# KiCad board TI01.kicad_pcb
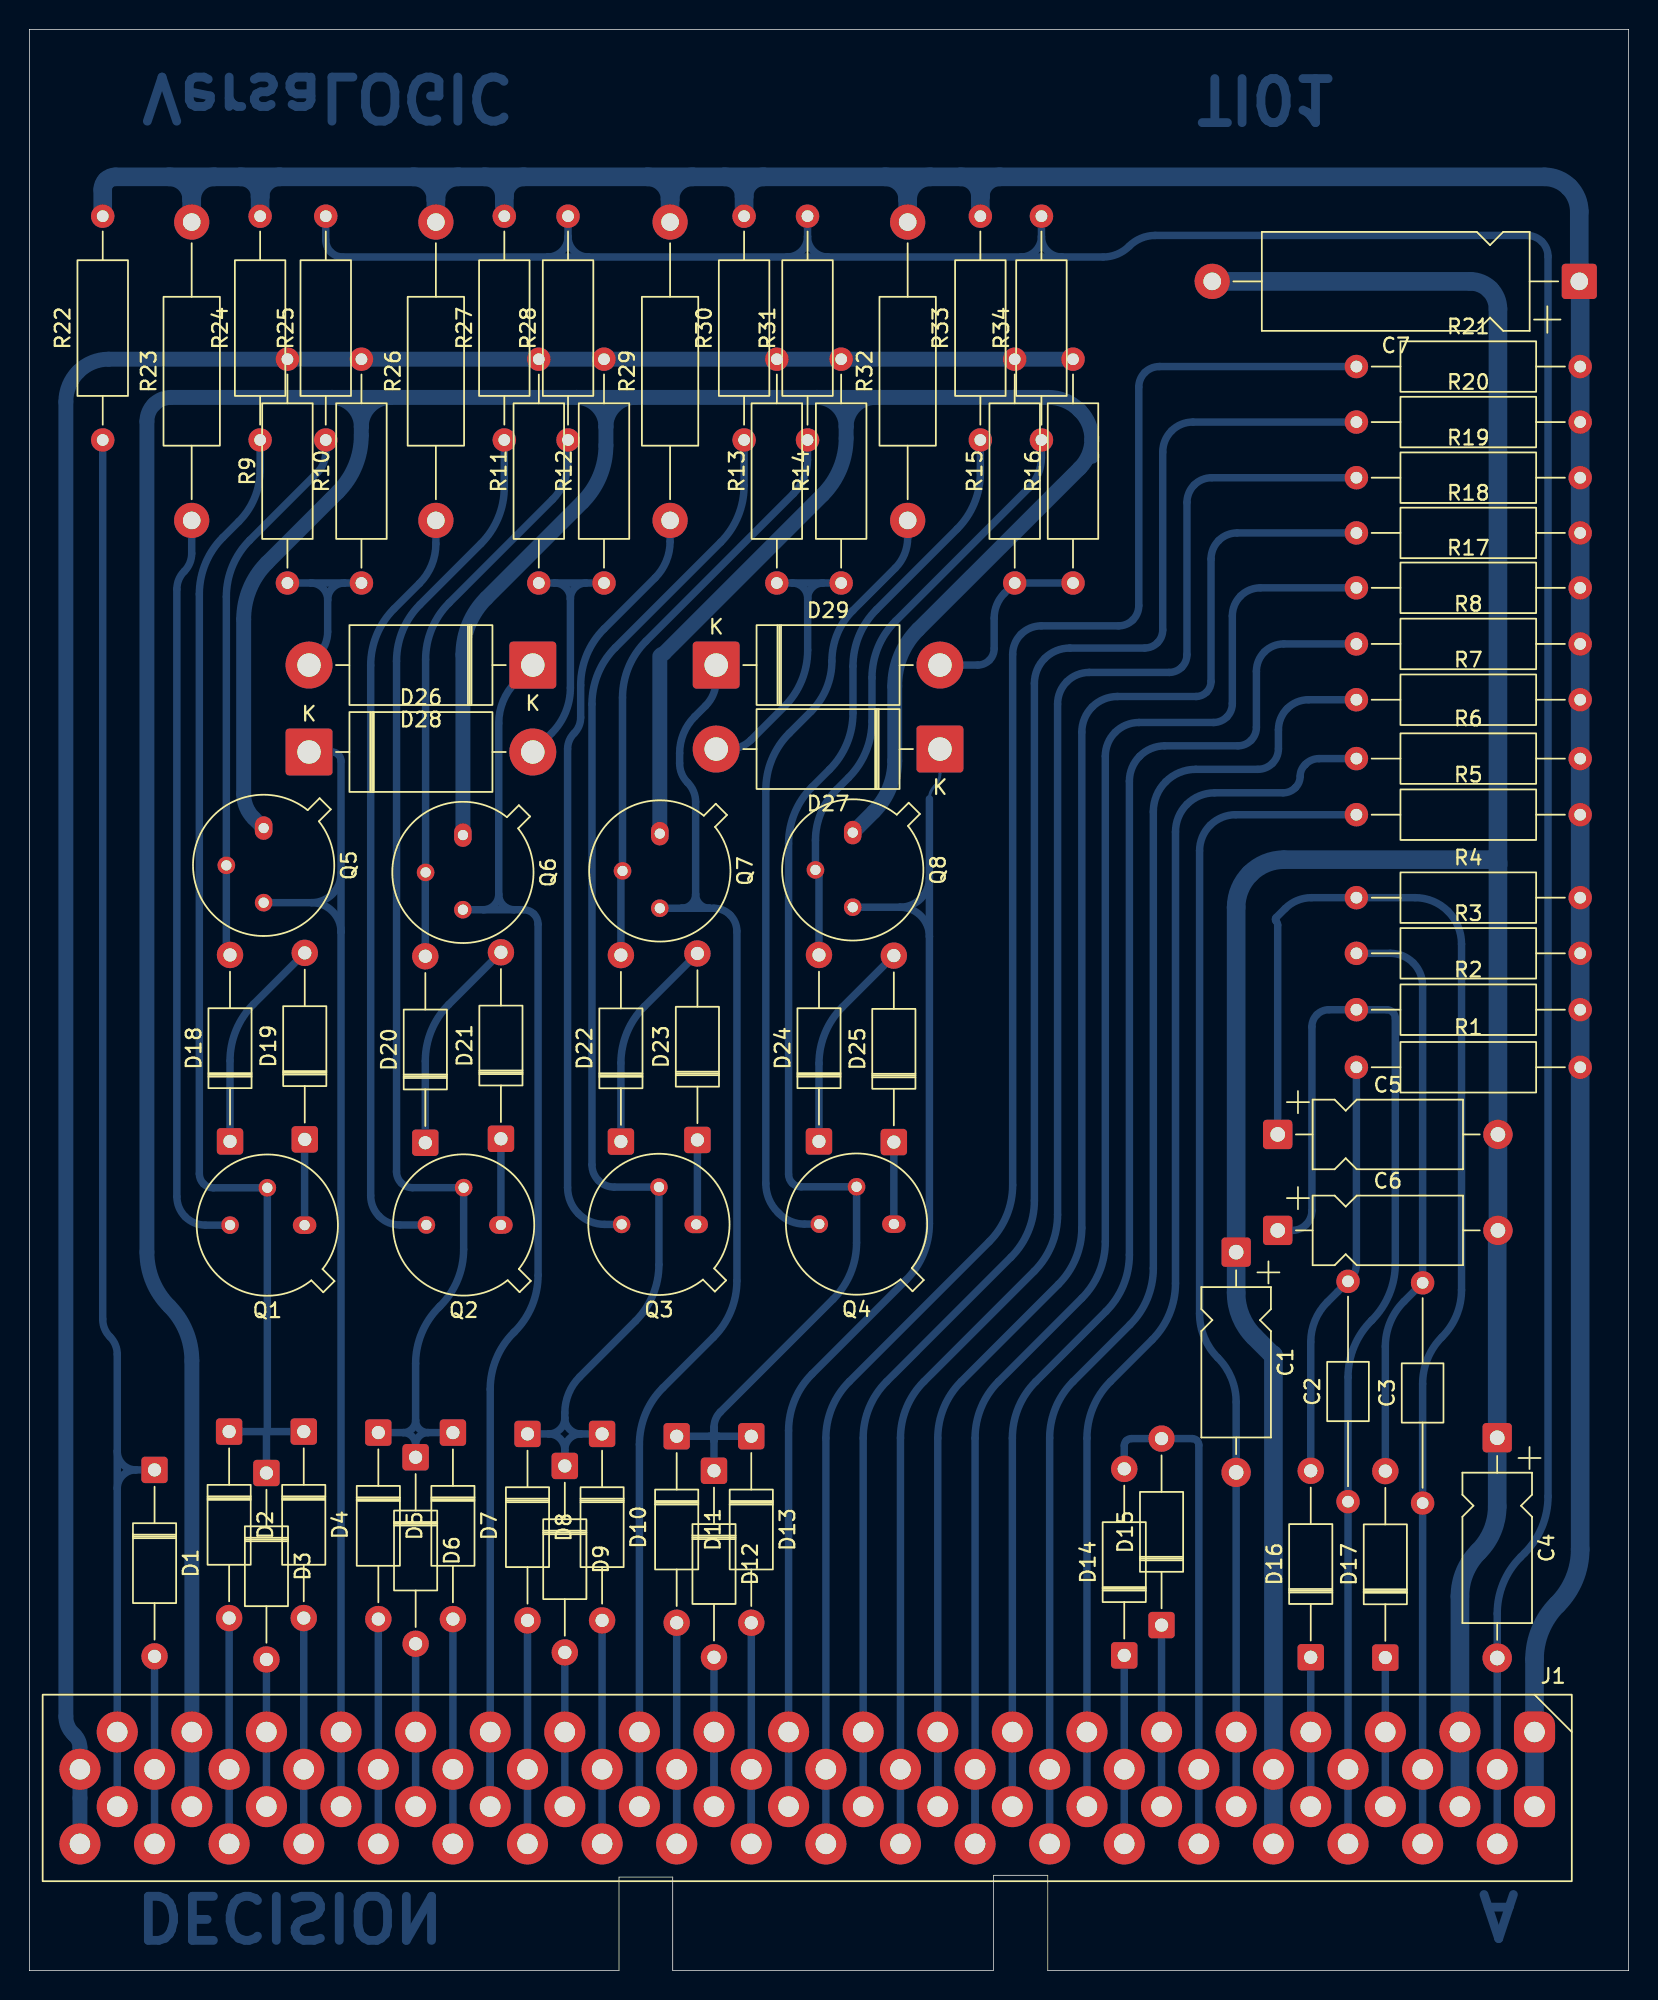
[diagram p0: board, top side]
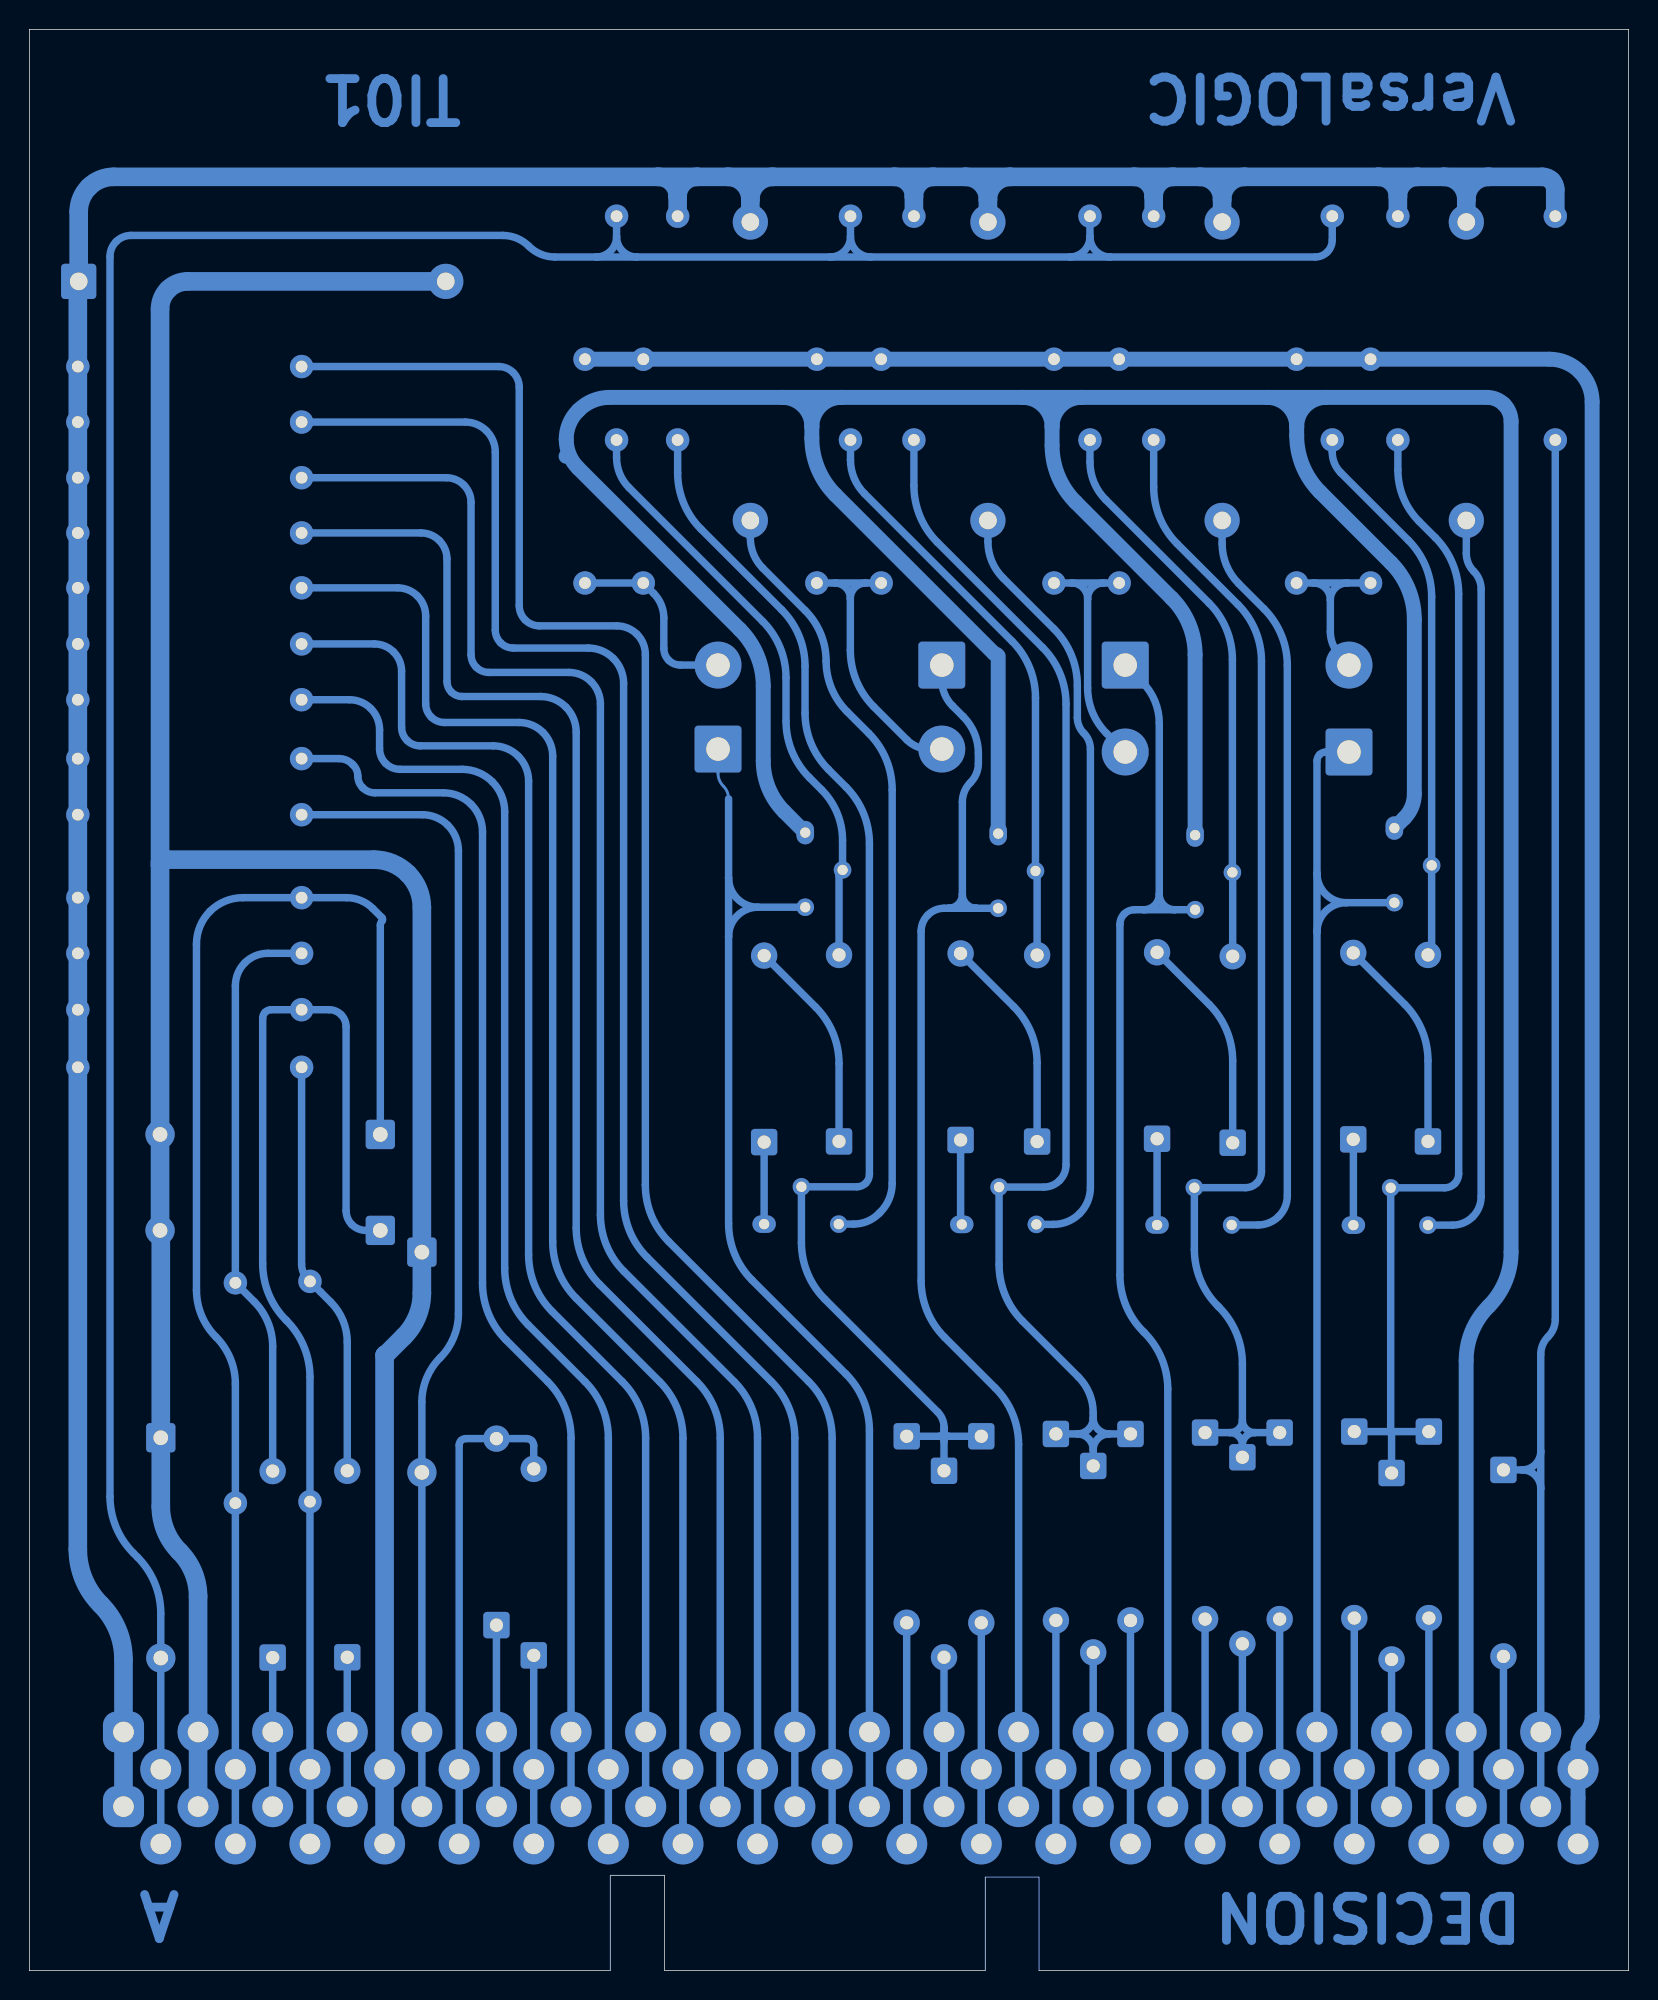
[diagram p1: board, bottom side, seen from below]

Outline 108.92 x 132.2 mm; copper layers: Top, Bottom. Coordinates in mm from the lower left corner of the outline.
Outline path: 0,132.2 0,0 40.16,0 40.16,6.37 43.82,6.37 43.82,0 65.66,0 65.66,6.49 69.36,6.49 69.36,0 108.92,0 108.92,132.2 0,132.2

## Placement (name value [footprint] x y rotation side)
C1  10nF  [CP_Axial_L10.0mm_D4.5mm_P15.00mm_Horizontal]  82.19 48.93 270 top
C2  2.7nF  [C_Axial_L3.8mm_D2.6mm_P15.00mm_Horizontal]  89.81 31.94 90 top
C3  2.7nF  [C_Axial_L3.8mm_D2.6mm_P15.00mm_Horizontal]  94.89 31.84 90 top
C4  10nF  [CP_Axial_L10.0mm_D4.5mm_P15.00mm_Horizontal]  99.97 36.29 270 top
C5  10nF  [CP_Axial_L10.0mm_D4.5mm_P15.00mm_Horizontal]  85.02 56.94 0 top
C6  10nF  [CP_Axial_L10.0mm_D4.5mm_P15.00mm_Horizontal]  85.02 50.41 0 top
C7  1uF  [CP_Axial_L18.0mm_D6.5mm_P25.00mm_Horizontal]  105.56 115.04 180 top
D1  Germanium  [D_A-405_P12.70mm_Horizontal]  8.53 34.1 270 top
D2  Germanium  [D_A-405_P12.70mm_Horizontal]  13.61 36.71 270 top
D3  Germanium  [D_A-405_P12.70mm_Horizontal]  16.15 33.89 270 top
D4  Germanium  [D_A-405_P12.70mm_Horizontal]  18.69 36.71 270 top
D5  Germanium  [D_A-405_P12.70mm_Horizontal]  23.77 36.64 270 top
D6  Germanium  [D_A-405_P12.70mm_Horizontal]  26.31 34.96 270 top
D7  Germanium  [D_A-405_P12.70mm_Horizontal]  28.85 36.64 270 top
D8  Germanium  [D_A-405_P12.70mm_Horizontal]  33.93 36.55 270 top
D9  Germanium  [D_A-405_P12.70mm_Horizontal]  36.47 34.37 270 top
D10  Germanium  [D_A-405_P12.70mm_Horizontal]  39.01 36.55 270 top
D11  Germanium  [D_A-405_P12.70mm_Horizontal]  44.09 36.39 270 top
D12  Germanium  [D_A-405_P12.70mm_Horizontal]  46.63 34.04 270 top
D13  Germanium  [D_A-405_P12.70mm_Horizontal]  49.17 36.39 270 top
D14  Germanium  [D_A-405_P12.70mm_Horizontal]  74.57 21.47 90 top
D15  Germanium  [D_A-405_P12.70mm_Horizontal]  77.11 23.53 90 top
D16  Germanium  [D_A-405_P12.70mm_Horizontal]  87.27 21.34 90 top
D17  Germanium  [D_A-405_P12.70mm_Horizontal]  92.35 21.32 90 top
D18  S1005  [D_A-405_P12.70mm_Horizontal]  13.67 56.47 90 top
D19  S1005  [D_A-405_P12.70mm_Horizontal]  18.76 56.61 90 top
D20  S1005  [D_A-405_P12.70mm_Horizontal]  26.97 56.38 90 top
D21  S1005  [D_A-405_P12.70mm_Horizontal]  32.12 56.65 90 top
D22  S1005  [D_A-405_P12.70mm_Horizontal]  40.29 56.46 90 top
D23  S1005  [D_A-405_P12.70mm_Horizontal]  45.5 56.57 90 top
D24  S1005  [D_A-405_P12.70mm_Horizontal]  53.78 56.47 90 top
D25  S1005  [D_A-405_P12.70mm_Horizontal]  58.87 56.42 90 top
D26  1N3639  [D_DO-201AD_P15.24mm_Horizontal]  19.05 82.99 0 top
D27  1N3639  [D_DO-201AD_P15.24mm_Horizontal]  62.02 83.19 180 top
D28  1N3639  [D_DO-201AD_P15.24mm_Horizontal]  34.29 88.91 180 top
D29  1N3639  [D_DO-201AD_P15.24mm_Horizontal]  46.78 88.91 0 top
J1  Conn_01x40  [ELCO 40]  102.51 16.25 0 top
Q1  S1007  [TO-5-3]  18.75 50.77 180 top
Q2  S1007  [TO-5-3]  32.12 50.78 180 top
Q3  S1007  [TO-5-3]  45.42 50.82 180 top
Q4  S1007  [TO-5-3]  58.88 50.84 180 top
Q5  2N1038  [TO-5-3]  15.96 77.81 270 top
Q6  2N1038  [TO-5-3]  29.53 77.33 270 top
Q7  2N1038  [TO-5-3]  42.94 77.43 270 top
Q8  2N1038  [TO-5-3]  56.08 77.5 270 top
R1  10k  [R_Axial_DIN0309_L9.0mm_D3.2mm_P15.24mm_Horizontal]  90.38 61.52 0 top
R2  1M  [R_Axial_DIN0309_L9.0mm_D3.2mm_P15.24mm_Horizontal]  90.38 65.44 0 top
R3  10k  [R_Axial_DIN0309_L9.0mm_D3.2mm_P15.24mm_Horizontal]  90.38 69.28 0 top
R4  1M  [R_Axial_DIN0309_L9.0mm_D3.2mm_P15.24mm_Horizontal]  90.38 73.07 0 top
R5  1M  [R_Axial_DIN0309_L9.0mm_D3.2mm_P15.24mm_Horizontal]  90.38 78.72 0 top
R6  20k  [R_Axial_DIN0309_L9.0mm_D3.2mm_P15.24mm_Horizontal]  90.38 82.54 0 top
R7  20k  [R_Axial_DIN0309_L9.0mm_D3.2mm_P15.24mm_Horizontal]  90.38 86.55 0 top
R8  20k  [R_Axial_DIN0309_L9.0mm_D3.2mm_P15.24mm_Horizontal]  90.38 90.35 0 top
R9  22  [R_Axial_DIN0309_L9.0mm_D3.2mm_P15.24mm_Horizontal]  17.58 94.5 90 top
R10  22  [R_Axial_DIN0309_L9.0mm_D3.2mm_P15.24mm_Horizontal]  22.62 94.5 90 top
R11  22  [R_Axial_DIN0309_L9.0mm_D3.2mm_P15.24mm_Horizontal]  34.7 94.5 90 top
R12  22  [R_Axial_DIN0309_L9.0mm_D3.2mm_P15.24mm_Horizontal]  39.14 94.5 90 top
R13  22  [R_Axial_DIN0309_L9.0mm_D3.2mm_P15.24mm_Horizontal]  50.91 94.5 90 top
R14  22  [R_Axial_DIN0309_L9.0mm_D3.2mm_P15.24mm_Horizontal]  55.29 94.5 90 top
R15  22  [R_Axial_DIN0309_L9.0mm_D3.2mm_P15.24mm_Horizontal]  67.11 94.5 90 top
R16  22  [R_Axial_DIN0309_L9.0mm_D3.2mm_P15.24mm_Horizontal]  71.08 94.5 90 top
R17  20k  [R_Axial_DIN0309_L9.0mm_D3.2mm_P15.24mm_Horizontal]  90.38 94.17 0 top
R18  20k  [R_Axial_DIN0309_L9.0mm_D3.2mm_P15.24mm_Horizontal]  90.38 97.91 0 top
R19  20k  [R_Axial_DIN0309_L9.0mm_D3.2mm_P15.24mm_Horizontal]  90.38 101.67 0 top
R20  20k  [R_Axial_DIN0309_L9.0mm_D3.2mm_P15.24mm_Horizontal]  90.38 105.46 0 top
R21  20k  [R_Axial_DIN0309_L9.0mm_D3.2mm_P15.24mm_Horizontal]  90.38 109.24 0 top
R22  1M  [R_Axial_DIN0309_L9.0mm_D3.2mm_P15.24mm_Horizontal]  5 104.24 90 top
R23  280 1W  [R_Axial_DIN0411_L9.9mm_D3.6mm_P20.32mm_Horizontal]  11.06 98.76 90 top
R24  5.1k  [R_Axial_DIN0309_L9.0mm_D3.2mm_P15.24mm_Horizontal]  15.72 104.24 90 top
R25  1k  [R_Axial_DIN0309_L9.0mm_D3.2mm_P15.24mm_Horizontal]  20.19 104.24 90 top
R26  280 1W  [R_Axial_DIN0411_L9.9mm_D3.6mm_P20.32mm_Horizontal]  27.69 98.76 90 top
R27  5.1k  [R_Axial_DIN0309_L9.0mm_D3.2mm_P15.24mm_Horizontal]  32.35 104.24 90 top
R28  1k  [R_Axial_DIN0309_L9.0mm_D3.2mm_P15.24mm_Horizontal]  36.69 104.24 90 top
R29  280 1W  [R_Axial_DIN0411_L9.9mm_D3.6mm_P20.32mm_Horizontal]  43.64 98.76 90 top
R30  5.1k  [R_Axial_DIN0309_L9.0mm_D3.2mm_P15.24mm_Horizontal]  48.68 104.24 90 top
R31  1k  [R_Axial_DIN0309_L9.0mm_D3.2mm_P15.24mm_Horizontal]  53 104.24 90 top
R32  280 1W  [R_Axial_DIN0411_L9.9mm_D3.6mm_P20.32mm_Horizontal]  59.82 98.76 90 top
R33  5.1k  [R_Axial_DIN0309_L9.0mm_D3.2mm_P15.24mm_Horizontal]  64.77 104.24 90 top
R34  1k  [R_Axial_DIN0309_L9.0mm_D3.2mm_P15.24mm_Horizontal]  68.93 104.24 90 top

## Library data of the parts
C1-C7 = -: Description: Unpolarized capacitor; ki_fp_filters: C_*
D1-D25 = -: Description: Diode; Sim.Device: D; Sim.Pins: 1=K 2=A; ki_fp_filters: TO-???* *_Diode_* *SingleDiode* D_*
D26-D29 = -: Datasheet: https://www.tme.eu/Document/5f8ffc5ac30fc86bac97d66040bf5502/1n400x.pdf; Description: DO-41 Diode, Rectifier, 200V, 1A, Alternate KiCad Library; ki_fp_filters: TO-???* *_Diode_* *SingleDiode* D_*
J1 = -: Description: Generic connector, single row, 01x40, script generated (kicad-library-utils/schlib/autogen/connector/); ki_fp_filters: Connector*:*_1x??_*
Q1-Q8 = -: Description: PNP transistor, generic symbol, Alternate KiCAD Library; Sim.Device: PNP; Sim.Type: GUMMELPOON; Sim.Pins: 1=C 2=B 3=E
R1-R34 = -: Description: Resistor; ki_fp_filters: R_*

## Footprints (pads in the part's own frame, mm; a bottom-side part is the same pattern mirrored in y, then rotated)
C_Axial_L3.8mm_D2.6mm_P15.00mm_Horizontal
  round 1.6 hole 0.8: 1(0,0) 2(15,0)
CP_Axial_L10.0mm_D4.5mm_P15.00mm_Horizontal
  rrect 2x2 hole 1: 1(0,0)
  round 2 hole 1: 2(15,0)
CP_Axial_L18.0mm_D6.5mm_P25.00mm_Horizontal
  rrect 2.4x2.4 hole 1.2: 1(0,0)
  round 2.4 hole 1.2: 2(25,0)
D_A-405_P12.70mm_Horizontal
  rrect 1.8x1.8 hole 0.9: 1(0,0)
  round 1.8 hole 0.9: 2(12.7,0)
D_DO-201AD_P15.24mm_Horizontal
  rrect 3.2x3.2 hole 1.6: 1(0,0)
  round 3.2 hole 1.6: 2(15.24,0)
ELCO 40
  rrect 2.8x2.8 hole 1.4: 1(0,0) 1(0,-5.08)
  round 2.8 hole 1.4: 2(-2.54,-2.54) 2(-2.54,-7.62) 3(-5.08,0) 3(-5.08,-5.08) 4(-7.62,-2.54) 4(-7.62,-7.62) 5(-10.16,0) 5(-10.16,-5.08) 6(-12.7,-2.54) 6(-12.7,-7.62) 7(-15.24,0) 7(-15.24,-5.08) 8(-17.78,-2.54) 8(-17.78,-7.62) 9(-20.32,0) 9(-20.32,-5.08) 10(-22.86,-2.54) 10(-22.86,-7.62) 11(-25.4,0) 11(-25.4,-5.08) 12(-27.94,-2.54) 12(-27.94,-7.62) 13(-30.48,0) 13(-30.48,-5.08) 14(-33.02,-2.54) 14(-33.02,-7.62) 15(-35.56,0) 15(-35.56,-5.08) 16(-38.1,-2.54) 16(-38.1,-7.62) 17(-40.64,0) 17(-40.64,-5.08) 18(-43.18,-2.54) 18(-43.18,-7.62) 19(-45.72,0) 19(-45.72,-5.08) 20(-48.26,-2.54) 20(-48.26,-7.62) 21(-50.8,0) 21(-50.8,-5.08) 22(-53.34,-2.54) 22(-53.34,-7.62) 23(-55.88,0) 23(-55.88,-5.08) 24(-58.42,-2.54) 24(-58.42,-7.62) 25(-60.96,0) 25(-60.96,-5.08) 26(-63.5,-2.54) 26(-63.5,-7.62) 27(-66.04,0) 27(-66.04,-5.08) 28(-68.58,-2.54) 28(-68.58,-7.62) 29(-71.12,0) 29(-71.12,-5.08) 30(-73.66,-2.54) 30(-73.66,-7.62) 31(-76.2,0) 31(-76.2,-5.08) 32(-78.74,-2.54) 32(-78.74,-7.62) 33(-81.28,0) 33(-81.28,-5.08) 34(-83.82,-2.54) 34(-83.82,-7.62) 35(-86.36,0) 35(-86.36,-5.08) 36(-88.9,-2.54) 36(-88.9,-7.62) 37(-91.44,0) 37(-91.44,-5.08) 38(-93.98,-2.54) 38(-93.98,-7.62) 39(-96.52,0) 39(-96.52,-5.08) 40(-99.06,-2.54) 40(-99.06,-7.62)
R_Axial_DIN0309_L9.0mm_D3.2mm_P15.24mm_Horizontal
  round 1.6 hole 0.8: 1(0,0) 2(15.24,0)
R_Axial_DIN0411_L9.9mm_D3.6mm_P20.32mm_Horizontal
  round 2.4 hole 1.2: 1(0,0) 2(20.32,0)
TO-5-3
  oval 1.6x1.2 hole 0.7: 1(0,0)
  round 1.2 hole 0.7: 2(2.54,-2.54) 3(5.08,0)

## Nets
+6V: C4.2 J1.2 R25.2 R28.2 R31.2 R34.2
-12V: C7.1 J1.1 R1.2 R2.2 R3.2 R4.2 R5.2 R6.2 R7.2 R8.2 R17.2 R18.2 R19.2 R20.2 R21.2 R22.2 R23.2 R24.2 R26.2 R27.2 R29.2 R30.2 R32.2 R33.2
GND: C1.1 C4.1 C5.2 C6.2 C7.2 J1.3 J1.8
J1-4: C3.1 C5.1 J1.4 R4.1
J1-5: D17.1 J1.5
J1-6: C2.1 C6.1 J1.6 R2.1
J1-7: D16.1 J1.7
J1-9: C1.2 J1.9 R5.1
J1-10: D14.2 D15.2 J1.10
J1-11: D15.1 J1.11
J1-12: D14.1 J1.12
J1-13: J1.13 R6.1
J1-14: J1.14 R7.1
J1-15: J1.15 R8.1
J1-16: J1.16 R17.1
J1-17: J1.17 R18.1
J1-18: J1.18 R19.1
J1-19: J1.19 R20.1
J1-20: J1.20 R21.1
J1-21: D27.1 J1.21 Q8.3
J1-22: D13.2 J1.22
J1-23: D12.2 J1.23
J1-24: D11.2 J1.24
J1-25: D29.1 J1.25 Q7.3
J1-26: D10.2 J1.26
J1-27: D9.2 J1.27
J1-28: D8.2 J1.28
J1-29: D28.1 J1.29 Q6.3
J1-30: D7.2 J1.30
J1-31: D6.2 J1.31
J1-32: D5.2 J1.32
J1-33: D26.1 J1.33 Q5.3
J1-34: D4.2 J1.34
J1-35: D3.2 J1.35
J1-36: D2.2 J1.36
J1-37: J1.37 Q5.1 Q6.1 Q7.1 Q8.1
J1-38: D1.2 J1.38
J1-39: D1.1 J1.39 R22.1
J1-40: J1.40 R9.2 R10.2 R11.2 R12.2 R13.2 R14.2 R15.2 R16.2
Net-(D2-K): D2.1 D3.1 D4.1 Q1.2 R24.1
Net-(D5-K): D5.1 D6.1 D7.1 Q2.2 R27.1
Net-(D10-K): D8.1 D9.1 D10.1 Q3.2 R30.1
Net-(D11-K): D11.1 D12.1 D13.1 Q4.2 R33.1
Net-(D16-A): C2.2 D16.2 R1.1
Net-(D17-A): C3.2 D17.2 R3.1
Net-(D18-A): D18.2 Q5.2 R25.1
Net-(D18-K): D18.1 D19.2
Net-(D19-K): D19.1 Q1.1
Net-(D20-A): D20.2 Q6.2 R28.1
Net-(D20-K): D20.1 D21.2
Net-(D21-K): D21.1 Q2.1
Net-(D22-A): D22.2 Q7.2 R31.1
Net-(D22-K): D22.1 D23.2
Net-(D23-K): D23.1 Q3.1
Net-(D24-A): D24.2 Q8.2 R34.1
Net-(D24-K): D24.1 D25.2
Net-(D25-K): D25.1 Q4.1
Net-(D26-A): D26.2 R11.1 R12.1
Net-(D27-A): D27.2 R13.1 R14.1
Net-(D28-A): D28.2 R9.1 R10.1
Net-(D29-A): D29.2 R15.1 R16.1
Net-(Q1-C): Q1.3 R23.1
Net-(Q2-C): Q2.3 R26.1
Net-(Q3-C): Q3.3 R29.1
Net-(Q4-C): Q4.3 R32.1

## Routing (per net, layer and track width the routed paths; a pad name or vN(x,y) marks a point on that pad's centre or on a via; arc(x,y) is an arc through that point)
+6V: length 213.1
  Bottom w0.508: 35.3,116.7 21.35,116.7 arc(20.9,116.79) 20.53,117.04 arc(20.27,117.42) 20.19,117.86 R25.2 ; 35.3,116.7 38.08,116.7 ; 35.3,116.7 arc(36.28,117.11) 36.69,118.09 ; 53,118.09 R31.2 ; 53,118.09 arc(52.59,117.11) 51.61,116.7 ; 53,118.09 arc(53.4,117.11) 54.39,116.7 ; 67.54,116.7 54.39,116.7 ; 67.54,116.7 70.32,116.7 ; 67.54,116.7 arc(68.52,117.11) 68.93,118.09 ; 54.39,116.7 51.61,116.7 ; J1.2 C4.2 99.97,24.32 arc(100.38,26.4) 101.56,28.16 101.83,28.44 arc(103.01,30.2) 103.43,32.28 103.43,116.74 arc(103.32,117.28) 103.01,117.75 arc(102.54,118.06) 101.99,118.17 76.67,118.17 arc(75.71,117.98) 74.9,117.44 arc(74.09,116.89) 73.13,116.7 70.32,116.7 ; 70.32,116.7 arc(69.33,117.11) 68.93,118.09 ; 51.61,116.7 38.08,116.7 ; 38.08,116.7 arc(37.09,117.11) 36.69,118.09 ; 36.69,118.09 R28.2 ; 68.93,118.09 R34.2
-12V: length 261.4
  Bottom w1.27: 58.28,122.16 50.02,122.16 ; 58.28,122.16 61.36,122.16 ; 58.28,122.16 arc(59.36,121.71) 59.82,120.62 ; 50.02,122.16 47.34,122.16 ; 50.02,122.16 arc(49.07,121.77) 48.68,120.82 ; 48.68,120.82 R30.2 ; 48.68,120.82 arc(48.28,121.77) 47.34,122.16 ; 27.69,120.62 R26.2 ; 27.69,120.62 arc(28.14,121.71) 29.23,122.16 ; 27.69,120.62 arc(27.23,121.71) 26.15,122.16 ; 59.82,120.62 R32.2 ; 59.82,120.62 arc(60.27,121.71) 61.36,122.16 ; 11.06,120.62 R23.2 ; 11.06,120.62 arc(10.6,121.71) 9.52,122.16 ; 11.06,120.62 arc(11.51,121.71) 12.6,122.16 ; 61.36,122.16 63.43,122.16 ; 9.52,122.16 5.87,122.16 arc(5.53,122.09) 5.25,121.91 arc(5.06,121.62) 5,121.29 R22.2 ; 9.52,122.16 12.6,122.16 ; 15.72,120.82 R24.2 ; 15.72,120.82 arc(16.11,121.77) 17.06,122.16 ; 15.72,120.82 arc(15.32,121.77) 14.38,122.16 ; 64.77,120.82 R33.2 ; 64.77,120.82 arc(64.37,121.77) 63.43,122.16 ; 64.77,120.82 arc(65.16,121.77) 66.11,122.16 ; 47.34,122.16 45.18,122.16 ; 45.18,122.16 42.1,122.16 ; 45.18,122.16 arc(44.09,121.71) 43.64,120.62 ; 26.15,122.16 29.23,122.16 ; 26.15,122.16 17.06,122.16 ; 29.23,122.16 31.01,122.16 ; 17.06,122.16 14.38,122.16 ; 63.43,122.16 66.11,122.16 ; 42.1,122.16 33.69,122.16 ; 42.1,122.16 arc(43.18,121.71) 43.64,120.62 ; J1.1 J1.1 102.51,21.18 arc(102.91,23.21) 104.06,24.94 arc(105.21,26.66) 105.62,28.69 R1.2 R6.2 R21.2 105.62,114.94 arc(105.61,114.98) 105.59,115.01 arc(105.56,115.04) 105.56,115.08 105.56,119.79 arc(105.37,120.7) 104.86,121.47 arc(104.09,121.98) 103.18,122.16 66.11,122.16 ; 14.38,122.16 12.6,122.16 ; 32.35,120.82 R27.2 ; 32.35,120.82 arc(32.74,121.77) 33.69,122.16 ; 32.35,120.82 arc(31.95,121.77) 31.01,122.16 ; 31.01,122.16 33.69,122.16 ; 43.64,120.62 R29.2
GND: length 208
  Bottom w1.27: 100.02,75.28 C5.2 100.02,50.45 arc(100.01,50.41) 99.99,50.39 arc(99.97,50.36) 99.97,50.32 C4.1 99.97,31.61 arc(99.64,29.95) 98.7,28.54 arc(97.76,27.13) 97.43,25.47 J1.3 ; 100.02,75.28 100.02,75.48 ; 100.02,75.28 arc(100,75.37) 99.95,75.45 ; 99.88,75.52 99.95,75.45 ; 99.88,75.52 99.95,75.45 ; 99.88,75.52 arc(99.72,75.62) 99.54,75.66 85.45,75.66 arc(84.2,75.41) 83.14,74.7 arc(82.43,73.65) 82.19,72.4 C1.1 82.19,46.15 arc(82.5,44.54) 83.42,43.18 84.62,41.98 arc(84.65,41.96) 84.69,41.95 arc(84.71,41.94) 84.73,41.91 J1.8 ; 99.95,75.45 arc(99.99,75.44) 100.02,75.48 ; C7.2 98.14,115.04 arc(98.86,114.9) 99.47,114.49 arc(99.87,113.88) 100.02,113.16 100.02,75.48
J1-4: length 91.7
  Bottom w0.508: J1.4 J1.4 C3.1 94.89,39.96 arc(95.23,41.69) 96.21,43.15 arc(97.19,44.62) 97.54,46.35 97.54,69.91 arc(97.29,71.12) 96.61,72.14 arc(95.59,72.83) 94.38,73.07 R4.1 87.31,73.07 arc(86.34,72.88) 85.53,72.33 84.9,71.71 arc(84.85,71.59) 84.9,71.47 arc(84.99,71.35) 85.02,71.2 C5.1
J1-5: length 10.2
  Bottom w0.508: J1.5 J1.5 D17.1
J1-6: length 79.4
  Bottom w0.508: C6.1 86,50.41 arc(86.51,50.51) 86.95,50.8 arc(87.24,51.24) 87.35,51.76 87.35,64.28 arc(87.43,64.72) 87.69,65.1 arc(88.06,65.35) 88.51,65.44 R2.1 92.44,65.44 arc(92.67,65.4) 92.86,65.27 arc(92.98,65.08) 93.03,64.86 93.03,48.14 arc(92.61,46.06) 91.43,44.3 91.4,44.26 arc(90.22,42.5) 89.81,40.42 C2.1 J1.6 J1.6
J1-7: length 10.2
  Bottom w0.508: J1.7 J1.7 D16.1
J1-9: length 77.8
  Bottom w0.508: R5.1 82.15,78.72 arc(81.21,78.53) 80.42,78 arc(79.88,77.2) 79.7,76.26 79.7,44.74 arc(80.02,43.11) 80.94,41.74 arc(81.86,40.36) 82.19,38.73 C1.2 J1.9
J1-10: length 34.3
  Bottom w0.508: D14.2 74.57,35.75 arc(74.6,35.93) 74.71,36.09 arc(74.86,36.19) 75.04,36.23 D15.2 79.2,36.23 arc(79.37,36.2) 79.52,36.1 arc(79.61,35.96) 79.65,35.79 J1.10 J1.10
J1-11: length 12.4
  Bottom w0.508: D15.1 J1.11 J1.11
J1-12: length 12.8
  Bottom w0.508: J1.12 J1.12 D14.1
J1-13: length 83.5
  Bottom w0.508: R6.1 87.83,82.54 arc(87.34,82.44) 86.92,82.17 86.86,82.11 arc(86.63,81.76) 86.55,81.34 arc(86.46,80.92) 86.23,80.57 86.21,80.55 arc(85.83,80.3) 85.38,80.21 80.72,80.21 arc(79.7,80.01) 78.84,79.43 arc(78.26,78.57) 78.06,77.55 78.06,46.8 arc(77.64,44.72) 76.46,42.96 73.62,40.11 arc(72.44,38.35) 72.03,36.27 J1.13
J1-14: length 91.5
  Bottom w0.508: R7.1 87.11,86.55 arc(86.33,86.39) 85.67,85.95 arc(85.22,85.29) 85.07,84.5 85.07,83.21 arc(84.96,82.67) 84.66,82.22 arc(84.2,81.92) 83.67,81.81 79.43,81.81 arc(78.33,81.59) 77.39,80.97 arc(76.76,80.03) 76.55,78.92 76.55,47.83 arc(76.13,45.75) 74.95,43.99 71.08,40.11 arc(69.9,38.35) 69.49,36.27 J1.14
J1-15: length 95.1
  Bottom w0.508: J1.15 J1.15 66.95,36.27 arc(67.36,38.35) 68.54,40.11 73.32,44.9 arc(74.5,46.66) 74.92,48.74 74.92,81 arc(75.1,81.92) 75.62,82.71 arc(76.4,83.23) 77.32,83.41 82.3,83.41 arc(82.79,83.51) 83.2,83.78 arc(83.47,84.19) 83.57,84.67 83.57,88.49 arc(83.71,89.2) 84.11,89.81 arc(84.71,90.21) 85.43,90.35 R8.1
J1-16: length 108.6
  Bottom w0.508: J1.16 J1.16 64.41,36.27 arc(64.82,38.35) 66,40.11 71.68,45.8 arc(72.86,47.56) 73.28,49.64 73.28,82.71 arc(73.45,83.59) 73.95,84.33 arc(74.69,84.83) 75.56,85 80.64,85 arc(81.13,85.1) 81.55,85.37 arc(81.83,85.79) 81.93,86.28 81.93,92.26 arc(82.07,92.99) 82.49,93.61 arc(83.11,94.02) 83.84,94.17 R17.1
J1-17: length 111.9
  Bottom w0.508: R18.1 82.25,97.91 arc(81.57,97.77) 81,97.39 arc(80.61,96.81) 80.48,96.13 80.48,87.79 arc(80.4,87.4) 80.18,87.07 arc(79.84,86.85) 79.45,86.77 74.1,86.77 arc(73.17,86.59) 72.39,86.06 arc(71.86,85.27) 71.68,84.35 71.68,50.58 arc(71.26,48.5) 70.08,46.74 63.46,40.11 arc(62.28,38.35) 61.87,36.27 J1.17 J1.17
J1-18: length 115.2
  Bottom w0.508: R19.1 80.53,101.67 arc(79.88,101.54) 79.33,101.18 arc(78.96,100.63) 78.84,99.98 78.84,89.62 arc(78.74,89.16) 78.48,88.77 arc(78.09,88.5) 77.62,88.41 72.18,88.41 arc(71.35,88.25) 70.66,87.78 arc(70.19,87.08) 70.03,86.26 70.03,51.47 arc(69.61,49.39) 68.43,47.63 60.92,40.11 arc(59.74,38.35) 59.33,36.27 J1.18 J1.18
J1-19: length 118.1
  Bottom w0.508: J1.19 J1.19 56.79,36.27 arc(57.2,38.35) 58.38,40.11 66.85,48.59 arc(68.03,50.35) 68.45,52.43 68.45,87.66 arc(68.63,88.58) 69.15,89.37 arc(69.93,89.89) 70.85,90.07 75.96,90.07 arc(76.43,90.16) 76.83,90.43 arc(77.09,90.83) 77.19,91.3 77.19,103.41 arc(77.34,104.2) 77.79,104.86 arc(78.45,105.3) 79.23,105.46 R20.1
J1-20: length 127.6
  Bottom w0.508: R21.1 76.95,109.24 arc(76.42,109.13) 75.97,108.83 arc(75.66,108.38) 75.56,107.84 75.56,92.96 arc(75.45,92.43) 75.15,91.99 arc(74.7,91.69) 74.17,91.58 68.91,91.58 arc(68.17,91.43) 67.54,91.01 arc(67.11,90.38) 66.97,89.63 66.97,53.49 arc(66.55,51.41) 65.37,49.65 55.84,40.11 arc(54.66,38.35) 54.25,36.27 J1.20 54.25,7.83
J1-21: length 85.2
  Bottom w0.2: D27.1 62.02,81.54 arc(61.92,81.07) 61.66,80.67 arc(61.39,80.27) 61.3,79.8
  Bottom w0.508: 61.3,74.42 61.3,70.42 ; 61.3,74.42 61.3,79.8 ; 61.3,74.42 arc(60.71,73.01) 59.3,72.42 ; 61.3,70.42 61.3,50.87 arc(60.88,48.79) 59.7,47.03 53.3,40.62 arc(52.12,38.86) 51.71,36.78 J1.21 J1.21 ; 61.3,70.42 arc(60.71,71.83) 59.3,72.42 ; 59.3,72.42 Q8.3
J1-22: length 20.1
  Bottom w0.508: D13.2 J1.22 J1.22
J1-23: length 15.3
  Bottom w0.508: J1.23 J1.23 D12.2
J1-24: length 20.1
  Bottom w0.508: J1.24 J1.24 D11.2
J1-25: length 89.6
  Bottom w0.508: 46.32,72.35 44.43,72.35 ; 46.32,72.35 46.61,72.35 arc(47.22,72.23) 47.73,71.89 arc(48.07,71.38) 48.19,70.78 48.19,46.98 arc(47.77,44.9) 46.59,43.14 43.14,39.68 arc(41.96,37.92) 41.55,35.84 J1.25 J1.25 ; 46.32,72.35 arc(45.65,72.63) 45.38,73.3 ; 44.43,72.35 Q7.3 ; 44.43,72.35 46.32,72.35 ; 44.43,72.35 arc(45.1,72.63) 45.38,73.3 ; D29.1 46.78,87.88 arc(46.59,86.94) 46.05,86.14 45.32,85.4 arc(44.55,84.26) 44.29,82.91 44.29,82.22 arc(44.43,81.51) 44.83,80.9 arc(45.23,80.3) 45.38,79.59 45.38,73.3
J1-26: length 15.2
  Bottom w0.508: D10.2 J1.26 J1.26
J1-27: length 10.5
  Bottom w0.508: D9.2 J1.27 J1.27
J1-28: length 15.2
  Bottom w0.508: J1.28 J1.28 D8.2
J1-29: length 91.4
  Bottom w0.508: 30.92,72.25 Q6.3 ; 30.92,72.25 33.02,72.25 ; 30.92,72.25 arc(31.66,72.56) 31.97,73.3 ; 33.02,72.25 33.65,72.25 arc(34.03,72.17) 34.36,71.96 arc(34.57,71.64) 34.65,71.26 34.65,47.36 arc(34.23,45.28) 33.05,43.52 32.98,43.44 arc(31.8,41.68) 31.39,39.6 J1.29 J1.29 ; 33.02,72.25 arc(32.27,72.56) 31.97,73.3 ; D28.1 33.13,87.75 arc(32.27,86.47) 31.97,84.95 31.97,73.3
J1-30: length 15.2
  Bottom w0.508: 28.85,23.83 J1.30 J1.30
J1-31: length 11.1
  Bottom w0.508: D6.2 J1.31 J1.31
J1-32: length 15.3
  Bottom w0.508: D5.2 J1.32 J1.32
J1-33: length 83.3
  Bottom w0.508: 21.23,74.73 21.23,82.38 arc(21.18,82.61) 21.05,82.81 arc(20.85,82.94) 20.61,82.99 D26.1 ; 21.23,74.73 21.23,70.73 ; 21.23,74.73 arc(20.64,73.32) 19.23,72.73 ; J1.33 J1.33 21.23,70.73 ; 19.23,72.73 Q5.3 ; 19.23,72.73 arc(20.64,72.14) 21.23,70.73
J1-34: length 15.4
  Bottom w0.508: D4.2 J1.34 J1.34
J1-35: length 10
  Bottom w0.508: J1.35 J1.35 D3.2
J1-36: length 15.4
  Bottom w0.508: D2.2 J1.36 J1.36
J1-37: length 308.7
  Bottom w0.2: 43.04,89.63 arc(42.97,89.6) 42.94,89.53
  Bottom w1.016: J1.37 J1.37 11.07,41.55 arc(10.67,43.55) 9.54,45.24 arc(8.4,46.93) 8.01,48.93 8.01,105.5 arc(8.13,106.13) 8.49,106.66 arc(9.02,107.02) 9.64,107.14 20.61,107.14 ; 24.61,107.14 37.27,107.14 ; 24.61,107.14 20.61,107.14 ; 24.61,107.14 arc(23.19,106.55) 22.61,105.14 ; 37.27,107.14 41.27,107.14 ; 37.27,107.14 arc(38.68,106.55) 39.27,105.14 ; Q8.1 57.51,78.93 arc(58.56,80.51) 58.94,82.38 58.94,87.49 arc(59.35,89.57) 60.53,91.33 71.54,102.32 arc(72.14,103.22) 72.36,104.27 arc(72.15,105.32) 71.56,106.22 71.5,106.28 arc(70.54,106.92) 69.41,107.14 57.63,107.14 ; Q5.1 15.28,78.49 arc(14.77,79.24) 14.6,80.13 14.6,92.03 arc(15.01,94.11) 16.19,95.87 21.01,100.7 arc(22.19,102.46) 22.61,104.54 22.61,105.14 ; 55.63,105.14 55.63,104.36 arc(55.21,102.28) 54.03,100.52 43.22,89.7 arc(43.14,89.65) 43.04,89.63 ; 55.63,105.14 arc(56.21,106.55) 57.63,107.14 ; 55.63,105.14 arc(55.04,106.55) 53.63,107.14 ; 72.37,103.13 72.33,103.13 ; 41.27,107.14 53.63,107.14 ; 41.27,107.14 arc(39.85,106.55) 39.27,105.14 ; Q6.1 29.53,89.62 arc(29.94,91.7) 31.12,93.46 37.67,100.02 arc(38.85,101.78) 39.27,103.86 39.27,105.14 ; 20.61,107.14 arc(22.02,106.55) 22.61,105.14 ; 57.63,107.14 53.63,107.14 ; 42.94,89.53 Q7.1
J1-38: length 12.8
  Bottom w0.508: D1.2 J1.38 J1.38
J1-39: length 98.6
  Bottom w0.508: 5.99,35.37 5.99,41.97 arc(5.86,42.62) 5.49,43.16 arc(5.12,43.71) 5,44.36 R22.1 ; 5.99,35.37 5.99,32.83 ; 5.99,35.37 arc(6.36,34.47) 7.26,34.1 ; J1.39 J1.39 5.99,32.83 ; 5.99,32.83 arc(6.36,33.73) 7.26,34.1 ; 7.26,34.1 D1.1
J1-40: length 168.7
  Bottom w1.016: R16.2 5.39,109.74 arc(4.28,109.52) 3.34,108.89 arc(2.71,107.95) 2.49,106.84 2.49,17.31 arc(2.61,16.68) 2.97,16.15 3.1,16.02 arc(3.36,15.63) 3.45,15.18 J1.40 J1.40
Net-(D2-K): length 81
  Bottom w0.508: 16.12,36.71 D2.1 ; 16.12,36.71 arc(16.14,36.71) 16.16,36.73 ; 16.12,36.71 arc(16.14,36.7) 16.15,36.69 ; 16.17,36.71 16.19,36.71 ; 16.17,36.71 D4.1 ; 16.17,36.71 arc(16.16,36.72) 16.16,36.73 ; 16.17,36.71 arc(16.15,36.7) 16.15,36.69 ; 16.16,36.73 16.18,36.74 ; 16.18,36.74 16.15,36.71 ; 16.18,36.74 arc(16.2,36.77) 16.21,36.81 Q1.2 12.53,53.31 arc(12.17,53.38) 11.86,53.59 arc(11.65,53.9) 11.58,54.27 11.58,93.75 arc(11.99,95.83) 13.17,97.59 14.27,98.69 arc(15.34,100.3) 15.72,102.19 R24.1 ; 16.15,36.69 D3.1
Net-(D5-K): length 83.8
  Bottom w0.508: 26.31,37.48 26.31,41.34 arc(26.72,43.42) 27.9,45.18 27.98,45.27 arc(29.16,47.03) 29.58,49.11 Q2.2 26.1,53.32 arc(25.68,53.4) 25.33,53.64 arc(25.09,53.99) 25.01,54.41 25.01,89.18 arc(25.42,91.26) 26.6,93.02 30.75,97.18 arc(31.93,98.94) 32.35,101.02 R27.1 ; 26.31,37.48 arc(26.06,36.89) 25.47,36.64 ; 26.31,37.48 arc(26.55,36.89) 27.15,36.64 ; 26.31,35.8 D6.1 ; 26.31,35.8 arc(26.06,36.39) 25.47,36.64 ; 26.31,35.8 arc(26.55,36.39) 27.15,36.64 ; 25.47,36.64 D5.1 ; 27.15,36.64 D7.1
Net-(D10-K): length 87.4
  Bottom w0.508: R30.1 48.68,101.12 arc(48.26,99.04) 47.08,97.28 39.91,90.1 arc(38.73,88.34) 38.32,86.26 38.32,54.88 arc(38.43,54.3) 38.76,53.8 arc(39.25,53.48) 39.83,53.36 Q3.2 42.88,48.08 arc(42.46,46) 41.28,44.24 37.48,40.43 arc(36.73,39.31) 36.47,37.98 36.47,37.64 ; 36.47,35.46 D9.1 ; 36.47,35.46 arc(36.15,36.23) 35.38,36.55 ; 36.47,35.46 arc(36.78,36.23) 37.56,36.55 ; 37.56,36.55 D10.1 ; 37.56,36.55 arc(36.78,36.87) 36.47,37.64 ; 36.47,37.64 arc(36.15,36.87) 35.38,36.55 ; 35.38,36.55 D8.1
Net-(D11-K): length 88.7
  Bottom w0.508: 46.63,36.08 D12.1 ; 46.63,36.08 arc(46.54,36.3) 46.32,36.39 ; 46.63,36.08 arc(46.71,36.3) 46.93,36.39 ; 46.32,36.39 D11.1 ; 46.32,36.39 arc(46.54,36.48) 46.63,36.69 ; R33.1 64.77,102 arc(64.35,99.93) 63.18,98.18 57.68,92.68 arc(56.5,90.91) 56.09,88.83 56.09,85.65 arc(55.68,83.57) 54.5,81.8 53.3,80.6 arc(52.12,78.84) 51.71,76.76 51.71,54.23 arc(51.77,53.91) 51.96,53.63 arc(52.23,53.44) 52.56,53.38 Q4.2 56.34,49.57 arc(55.92,47.49) 54.74,45.73 47.06,38.04 arc(46.74,37.56) 46.63,37 ; 46.93,36.39 D13.1 ; 46.93,36.39 arc(46.71,36.48) 46.63,36.69 ; 46.63,36.69 46.63,37 ; 46.63,36.69 46.63,37
Net-(D16-A): length 28.5
  Bottom w0.508: D16.2 87.27,42.81 arc(87.56,44.28) 88.39,45.53 89.95,47.08 arc(90.26,47.56) 90.38,48.11 R1.1
Net-(D17-A): length 39.7
  Bottom w0.508: D17.2 92.35,42.5 arc(92.68,44.16) 93.62,45.57 C3.2 94.89,67.08 arc(94.72,67.92) 94.24,68.64 arc(93.53,69.11) 92.68,69.28 R3.1
Net-(D18-A): length 37.6
  Bottom w0.508: D18.2 13.54,69.3 arc(13.45,69.43) 13.42,69.6 Q5.2 13.42,93.57 arc(13.83,95.65) 15.01,97.41 19.6,102.01 arc(20.03,102.65) 20.19,103.41 R25.1
Net-(D18-K): length 14.7
  Bottom w0.508: D19.2 15.26,65.81 arc(14.08,64.05) 13.67,61.97 D18.1
Net-(D19-K): length 5.8
  Bottom w0.508: Q1.1 18.75,56.6 arc(18.75,56.6) 18.75,56.6 D19.1
Net-(D20-A): length 38.8
  Bottom w0.508: R28.1 36.69,102.74 arc(36.41,101.35) 35.62,100.18 28.58,93.13 arc(27.4,91.37) 26.99,89.29 26.99,74.81 26.99,74.8 arc(26.98,74.79) 26.98,74.78 26.97,74.78 arc(26.97,74.77) 26.97,74.76 D20.2
Net-(D20-K): length 14.9
  Bottom w0.508: D21.2 28.56,65.79 arc(27.38,64.03) 26.97,61.95 D20.1
Net-(D21-K): length 5.9
  Bottom w0.508: Q2.1 D21.1
Net-(D22-A): length 40
  Bottom w0.508: D22.2 40.29,74.7 arc(40.3,74.77) 40.34,74.84 arc(40.38,74.9) 40.4,74.97 40.4,86.69 arc(40.81,88.77) 41.99,90.53 52.04,100.59 arc(52.75,101.64) 53,102.89 R31.1
Net-(D22-K): length 14.7
  Bottom w0.508: D22.1 40.29,61.81 arc(40.7,63.89) 41.88,65.65 D23.2
Net-(D23-K): length 5.8
  Bottom w0.508: Q3.1 45.46,50.86 arc(45.48,50.9) 45.5,50.96 D23.1
Net-(D24-A): length 40.7
  Bottom w0.508: D24.2 53.78,74.55 arc(53.74,74.71) 53.66,74.84 arc(53.57,74.97) 53.54,75.13 53.54,76.98 arc(53.91,78.84) 54.96,80.41 55.79,81.25 arc(56.97,83.01) 57.39,85.09 57.39,88.05 arc(57.8,90.13) 58.98,91.89 68.08,100.99 arc(68.7,101.93) 68.93,103.04 R34.1
Net-(D24-K): length 14.5
  Bottom w0.508: D24.1 53.78,61.77 arc(54.19,63.85) 55.37,65.62 D25.2
Net-(D25-K): length 5.6
  Bottom w0.508: Q4.1 58.88,56.42 arc(58.88,56.42) 58.88,56.42 arc(58.87,56.42) D25.1
Net-(D26-A): length 19.1
  Bottom w0.508: 37.92,94.5 R12.1 ; 37.92,94.5 35.77,94.5 ; 37.92,94.5 arc(37.16,94.19) 36.85,93.43 ; 35.77,94.5 R11.1 ; 35.77,94.5 arc(36.53,94.19) 36.85,93.43 ; 36.85,93.43 36.85,87.36 arc(36.51,85.69) 35.57,84.27 D26.2
Net-(D27-A): length 21.2
  Bottom w0.508: 51.96,94.5 R13.1 ; 51.96,94.5 54.06,94.5 ; 51.96,94.5 arc(52.7,94.19) 53.01,93.45 ; 53.01,93.45 53.01,89.92 arc(52.59,87.84) 51.41,86.08 49.14,83.81 arc(48.46,83.35) 47.65,83.19 D27.2 ; 53.01,93.45 arc(53.31,94.19) 54.06,94.5 ; 54.06,94.5 R14.1
Net-(D28-A): length 13.5
  Bottom w0.508: 19.17,94.5 21.47,94.5 ; 19.17,94.5 R9.1 ; 19.17,94.5 arc(19.98,94.16) 20.32,93.35 ; 21.47,94.5 R10.1 ; 21.47,94.5 arc(20.65,94.16) 20.32,93.35 ; 18.99,88.91 19.65,89.58 arc(20.14,90.31) 20.32,91.18 20.32,93.35
Net-(D29-A): length 13.2
  Bottom w0.508: D29.2 64.58,88.91 arc(65.01,89) 65.38,89.24 arc(65.62,89.61) 65.71,90.04 65.71,92.11 arc(65.89,93.02) 66.41,93.8 R15.1 R16.1
Net-(Q1-C): length 51
  Bottom w0.508: R23.1 11.06,96.51 arc(10.92,95.85) 10.55,95.3 arc(10.18,94.74) 10.05,94.08 10.05,52.72 arc(10.19,51.97) 10.62,51.34 arc(11.25,50.92) 11.99,50.77 Q1.3
Net-(Q2-C): length 52.4
  Bottom w0.508: Q2.3 25.24,50.78 arc(24.48,50.93) 23.83,51.36 arc(23.4,52.01) 23.25,52.78 23.25,88.9 arc(23.66,90.98) 24.84,92.74 26.56,94.47 arc(27.39,95.71) 27.69,97.17 R26.1
Net-(Q3-C): length 52.9
  Bottom w0.508: Q3.3 39.16,50.82 arc(38.2,51.01) 37.39,51.55 arc(36.85,52.37) 36.66,53.33 36.66,83.19 arc(36.77,83.77) 37.1,84.26 arc(37.43,84.76) 37.55,85.34 37.55,87.53 arc(37.96,89.61) 39.14,91.37 42.61,94.85 arc(43.37,95.98) 43.64,97.31 R29.1
Net-(Q4-C): length 53.6
  Bottom w0.508: Q4.3 52.79,50.84 arc(51.85,51.03) 51.06,51.55 50.97,51.65 arc(50.37,52.55) 50.16,53.61 50.16,80.42 arc(50.57,82.5) 51.75,84.26 53.23,85.75 arc(54.28,87.32) 54.66,89.19 arc(55.03,91.05) 56.08,92.62 58.97,95.51 arc(59.59,96.45) 59.82,97.56 R32.1

## Text on the board
Bottom: DECISION | VersaLOGIC | TI01 | A
